# Altium PCB PCB1.PcbDoc (part 14 of 15) (continued)
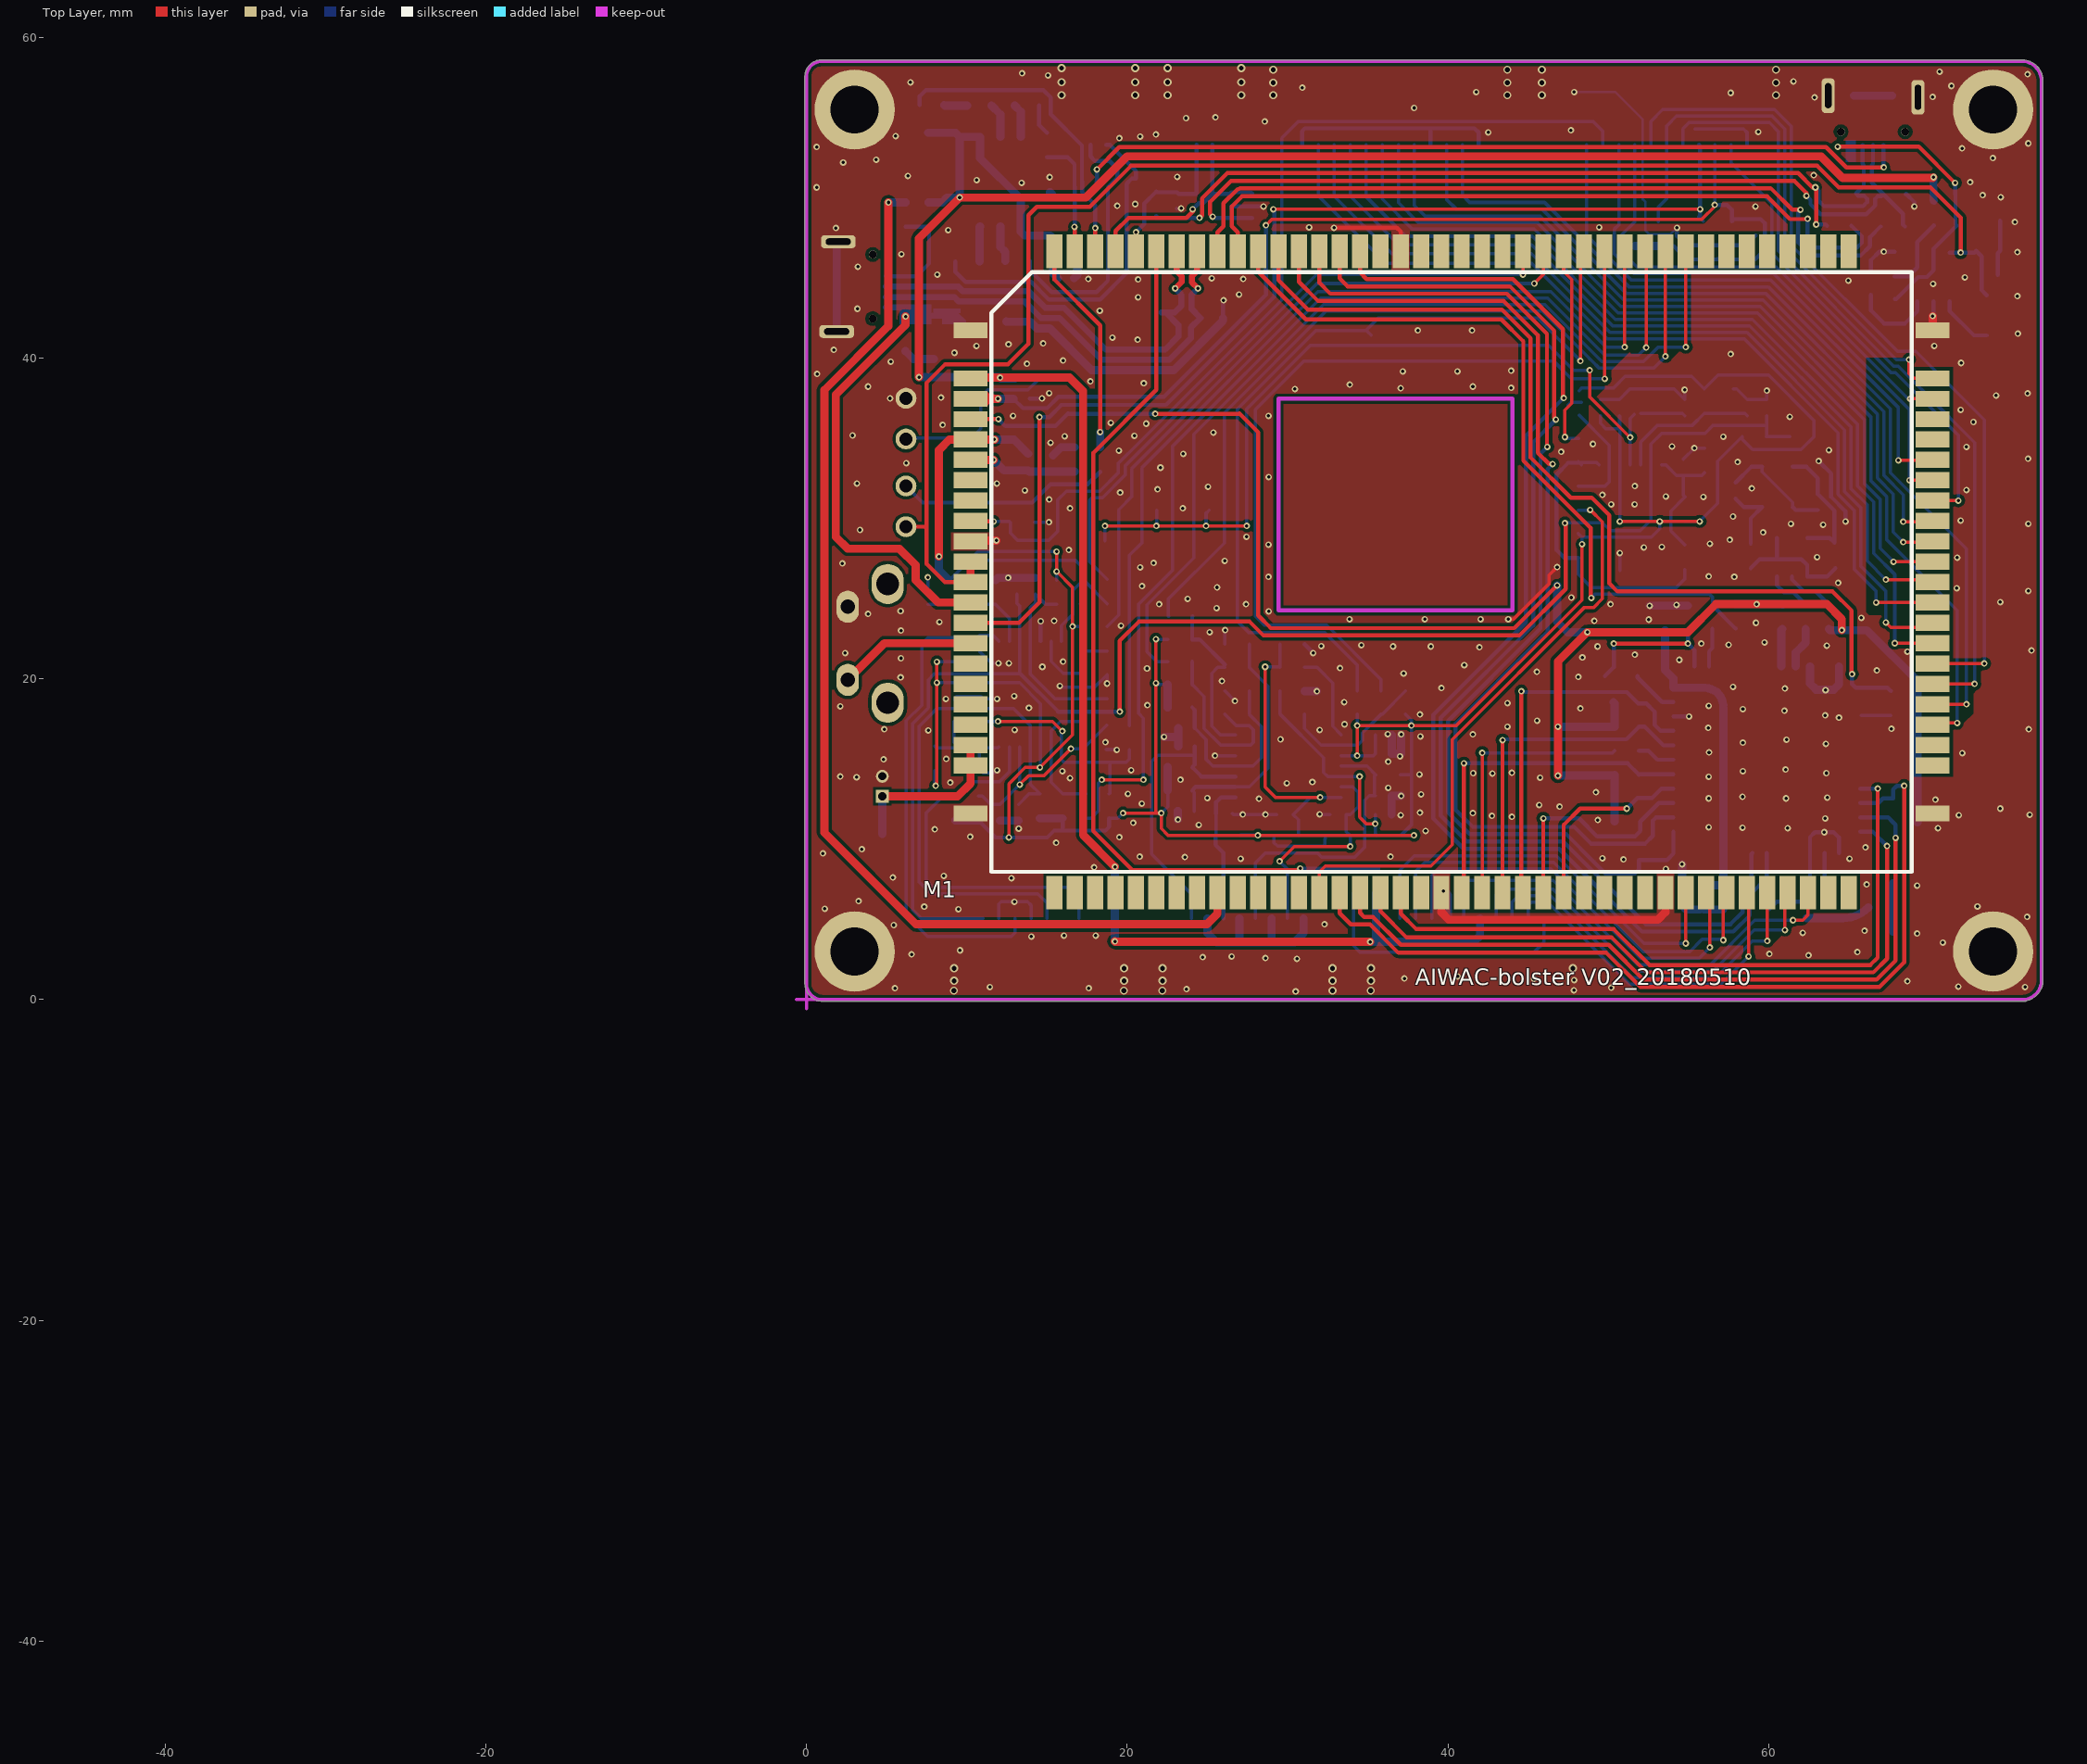
[diagram p0: Top Layer view]
## Nets (pads, with @x,y where several pads share a name; then routed paths per layer and width w, separated by ;. In a path a pad name is that pad's centre, name@x,y a point inside that pad or via, vN(x,y) a via of type N, cw(c..) or ccw(c..) an arc to the next point about the centre after c; other vN are vias at no path point) (continued)
  Bottom Layer w0.203: D7.A@6.2,34.957 6.27,35.027 10.287,35.027 10.858,35.598 10.858,37.579 11.303,38.024 13.818,38.024 R92.1@14.529,38.735
NetJ9_1: J9.1 R69.2 | length 17.1
  Bottom Layer w0.203: R69.2@34.112,6.645 34.112,3.356 34.496,2.972 45.39,2.972 46,3.582 J9.1@46,5.055
NetJ10_4: J10.4 R70.2 R71.1 | length 6.8
  Bottom Layer w0.254: J10.4@4.953,45.109 6.858,45.109 7.645,45.896 7.645,48.158 R71.1@7.62,48.184 R70.2@6.172,48.184
NetJ11_4: J11.4 R120.2 | length 52.4
  Top Layer w0.254: v1(18.11,51.765) 19.507,53.162 63.576,53.162 64.846,51.892 v1(67.183,51.892)
  Bottom Layer w0.254: R120.2@18.085,50.978 18.11,51.003 v1(18.11,51.765) ; J11.4@67.163,53.289 67.163,51.912 v1(67.183,51.892)
NetL1_2: L1.2 U10.1 | length 3.5
  Bottom Layer w0.254: U10.1@71.298,43.536 71.298,42.926 72.807,41.417 L1.2@73.609,41.417
NetL2_1: L2.1 U7.21 | length 3
  Bottom Layer w0.254: L2.1@51.816,20.168 51.816,20.091 53.35,18.557 U7.21@54.06,18.557
NetL3_2: L3.2 U5.7 | length 2.2
  Bottom Layer w0.508: L3.2@10.795,46.025 10.795,48.184 U5.7@10.82,48.209
NetL4_2: L4.2 U5.6 | length 2.3
  Bottom Layer w0.508: U5.6@12.09,48.209 12.09,46.939 12.395,46.634 L4.2@12.395,46.05
NetM1_111: M1.111 R113.1 | length 46.1
  Top Layer w0.254: M1.111@26.896,46.67 26.896,47.847 26.515,48.228 26.515,49.454 27.15,50.089 59.911,50.089 61.33,48.67 62.411,48.67 v1(62.433,48.692)
  Bottom Layer w0.254: v1(62.433,48.692) 62.433,47.354 62.886,46.901 65.519,46.901 65.811,47.193 65.811,47.6 R113.1@65.151,48.26
NetM1_112: M1.112 R112.1 | length 48.7
  Top Layer w0.254: M1.112@25.626,46.67 25.626,47.847 26.007,48.228 26.007,49.664 26.89,50.547 26.987,50.547 27.037,50.597 60.122,50.597 61.464,49.254 v1(61.98,49.254)
  Bottom Layer w0.254: v1(61.98,49.254) 61.849,49.123 61.849,47.22 62.676,46.393 65.73,46.393 66.319,46.983 66.319,47.549 R112.1@66.98,48.209
NetR3_1: R3.1 R9.1 R18.1 U1.1 | length 5.6
  Bottom Layer w0.203: R18.1@31.059,20.714 31.847,20.714 32.812,19.748 R9.1@32.812,19.24 R3.1@32.812,17.793 32.812,17.046 U1.1@33.341,16.517
NetR4_1: R4.1 R10.1 R17.1 U1.2 | length 9.3
  Bottom Layer w0.203: R17.1@31.059,17.793 31.059,16.904 32.096,15.867 U1.2@33.341,15.867 34.383,15.867 34.666,16.15 34.666,16.624 R4.1@35.835,17.793 35.911,17.793 R10.1@37.359,19.24
NetR7_1: R7.1 R13.1 R19.1 U1.14 | length 10.1
  Bottom Layer w0.203: R19.1@26.081,20.714 25.641,20.714 25.273,20.345 25.273,17.043 25.8,16.517 U1.14@26.741,16.517
  Bottom Layer w0.254: R13.1@24.074,23.889 24.049,23.863 R7.1@24.049,22.466 24.506,22.466 R19.1@26.081,20.891
NetR8_1: R8.1 R14.1 R20.1 U1.13 | length 11
  Bottom Layer w0.203: R8.1@24.049,19.647 24.79,18.905 24.79,16.915 25.838,15.867 U1.13@26.741,15.867 27.691,15.867 27.864,16.039 27.864,16.815 27.584,17.094 26.779,17.094 R20.1@26.081,17.793
  Bottom Layer w0.254: R8.1@24.049,19.647 R14.1@24.049,21.069
NetR27_1: R27.1 R33.1 R46.1 U2.1 | length 14.3
  Top Layer w0.203: v1(11.938,17.348) 15.342,17.348 v1(15.951,16.739)
  Bottom Layer w0.203: R46.1@10.719,17.348 v1(11.938,17.348) ; v1(15.951,16.739) 15.895,16.682 15.895,14.966 16.053,14.808 18.872,14.808 ; R27.1@18.877,12.827 18.923,12.873 18.923,14.757 18.872,14.808 ; R33.1@20.142,15.57 20.142,15.011 19.939,14.808 18.872,14.808
NetR28_1: R28.1 R34.1 R42.1 U2.2 | length 8.1
  Bottom Layer w0.203: R42.1@17.297,17.145 17.105,17.337 15.831,17.337 15.245,16.75 15.245,13.564 R28.1@15.981,12.827 R34.1@17.429,12.827
NetR31_1: R31.1 R37.1 R43.1 U2.14 | length 15.3
  Bottom Layer w0.203: R43.1@10.312,26.162 10.312,26.772 10.922,27.381 16.773,27.381 16.986,27.169 17.002,27.169 17.297,26.873 R31.1@17.297,26.213 ; U2.14@15.895,22.352 15.895,23.311 16.612,24.028 16.612,25.527 R31.1@17.297,26.213 ; R37.1@18.745,24.689 17.297,26.137 R31.1@17.297,26.213
NetR32_1: R32.1 R38.1 R44.1 U2.13 | length 6.5
  Bottom Layer w0.203: U2.13@15.245,22.352 15.245,21.103 16.002,20.345 R44.1@17.221,20.345 ; R44.1@17.297,20.269 17.297,21.717 17.31,21.73 R38.1@18.745,21.73 R38.1@18.758,21.73
NetR53_1: R53.1 R55.1 R60.2 U3.1 | length 18.4
  Bottom Layer w0.203: R53.1@48.133,27.534 48.133,26.518 48.971,25.679 54.229,25.679 54.783,26.234 R60.2@54.783,26.822 ; R55.1@48.133,33.553 R55.1@48.209,33.477 ; R55.1@48.158,33.477 R55.1@48.209,33.477 ; R55.1@48.34,33.346 R55.1@48.209,33.477 ; U3.1@49.419,33.346 49.288,33.477 R55.1@48.209,33.477
  Bottom Layer w0.254: R53.1@48.133,27.534 47.269,27.534 46.761,28.042 46.761,32.741 47.498,33.477 R55.1@48.158,33.477
NetR54_1: R54.1 R56.1 U3.2 | length 7
  Bottom Layer w0.203: R56.1@48.133,32.029 49.809,32.029 50.069,32.289 U3.2@50.069,33.346 50.069,34.564 R54.1@48.184,36.449
NetR62_1: R62.1 R65.2 U4.1 U4.4 | length 7.9
  Bottom Layer w0.254: R62.1@58.884,26.908 59.433,27.457 60.554,27.457 ; U4.1@60.509,28.788 60.509,27.502 60.554,27.457 ; R65.2@64.167,26.908 63.646,26.388 U4.4@62.409,26.388 62.409,27.1 62.052,27.457 60.554,27.457
NetR63_2: R63.2 U4.6 | length 2.8
  Bottom Layer w0.254: U4.6@60.509,26.388 60.509,25.851 60.96,25.4 61.544,25.4 R63.2@62.306,24.638
NetR64_2: R64.2 U4.5 | length 3.1
  Bottom Layer w0.254: U4.5@61.459,26.388 61.459,26.196 62.205,25.451 62.941,25.451 R64.2@63.754,24.638
NetR66_2: R66.2 U5.4 | length 2.1
  Bottom Layer w0.508: R66.2@12.979,55.753 13.36,55.372 U5.4@13.36,53.797
NetR67_2: R67.2 U5.3 | length 2.2
  Bottom Layer w0.508: R67.2@11.532,55.753 12.09,55.194 U5.3@12.09,53.797
NetR75_1: R75.1 U7.29 | length 2.4
  Bottom Layer w0.508: U7.29@60.785,20.782 60.785,23.04 R75.1@60.858,23.114
NetR79_1: R79.1 U7.24 | length 2.4
  Bottom Layer w0.254: U7.24@56.285,20.782 56.285,21.715 56.49,21.92 R79.1@56.49,23.114
NetR84_1: R84.1 U7.17 | length 2.4
  Bottom Layer w0.254: R84.1@51.918,15.519 52.502,15.519 53.064,14.957 U7.17@54.06,14.957
NetR101_2: R101.2 R102.2 U10.4 | length 4.7
  Bottom Layer w0.254: R102.2@67.862,45.11 68.732,45.11 69.266,45.644 U10.4@69.266,46.584 69.266,47.244 R101.2@70.307,48.285
NetR103_1: R103.1 R104.2 U10.3 | length 5.1
  Bottom Layer w0.254: R104.2@66.389,43.942 66.389,42.958 67.183,42.164 R103.1@67.869,42.164 68.504,42.164 69.266,42.926 U10.3@69.266,43.536
PE0_CSI-PCLK: J1.7 M1.63 | length 61.5
  Top Layer w0.203: M1.63@70.231,17.145 70.333,17.247 v1(71.755,17.247)
  Bottom Layer w0.203: J1.7@36.909,53.3 36.909,49.692 38.138,48.463 45.549,48.463 50.781,43.231 59.476,43.231 66.37,36.337 66.37,32.355 67.361,31.365 67.361,28.677 71.755,24.282 v1(71.755,17.247)
PE1_CSI-MCLK: J1.11 M1.64 | length 57.8
  Top Layer w0.203: M1.64@70.231,18.415 v1(72.339,18.415)
  Bottom Layer w0.203: J1.11@40.909,53.3 40.909,50.15 41.351,49.708 46.029,49.708 51.286,44.45 59.981,44.45 67.589,36.842 67.589,32.86 68.573,31.877 68.58,31.877 72.339,28.118 v1(72.339,18.415)
PE2_CSI-HSYNC: J2.8 M1.65 | length 49.6
  Top Layer w0.203: M1.65@70.231,19.685 v1(72.847,19.685)
  Bottom Layer w0.203: J2.8@54.654,53.3 54.654,54.299 55.042,54.686 60.046,54.686 60.604,54.127 60.604,46.704 67.804,39.504 68.084,39.504 69.209,38.379 69.213,38.379 69.748,37.844 69.748,37.84 72.847,34.741 v1(72.847,19.685)
PE3_CSI-VSYNC: J2.6 M1.66 | length 53.4
  Top Layer w0.203: M1.66@70.231,20.955 v1(73.457,20.955)
  Bottom Layer w0.203: J2.6@52.654,53.3 52.654,54.762 53.391,55.499 60.382,55.499 61.417,54.464 61.417,47.041 68.039,40.419 69.182,40.419 73.457,36.144 v1(73.457,20.955)
PE4_CSI-D0: J1.5 M1.67 | length 56.7
  Top Layer w0.203: v1(67.869,22.225) M1.67@70.231,22.225
  Bottom Layer w0.203: J1.5@34.909,53.3 34.909,50.054 37.363,47.6 45.263,47.6 50.445,42.418 58.988,42.418 65.557,35.849 65.557,32.019 66.548,31.028 66.548,27.831 67.869,26.51 v1(67.869,22.225)
PE5_CSI-D1: J1.3 M1.68 | length 57.3
  Top Layer w0.203: v1(67.31,23.52) 67.615,23.216 69.952,23.216 M1.68@70.231,23.495
  Bottom Layer w0.203: J1.3@32.909,53.3 32.909,50.098 36.5,46.507 45.206,46.507 50.108,41.605 58.652,41.605 64.745,35.512 64.745,31.682 65.735,30.691 65.735,27.044 67.1,25.679 67.107,25.679 67.31,25.476 v1(67.31,23.52)
PE6_CSI-D2: J1.2 M1.69 | length 56.8
  Top Layer w0.203: v1(66.7,24.765) M1.69@70.231,24.765
  Bottom Layer w0.203: J1.2@31.909,53.3 31.909,50.133 36.144,45.898 45.241,45.898 49.94,41.199 58.483,41.199 64.338,35.344 64.338,31.514 65.329,30.523 65.329,26.848 66.7,25.476 v1(66.7,24.765)
PE7_CSI-D3: J1.4 M1.70 | length 53.8
  Top Layer w0.203: v1(67.31,26.187) 70.079,26.187 M1.70@70.231,26.035
  Bottom Layer w0.203: J1.4@33.909,53.3 33.909,50.089 36.932,47.066 45.222,47.066 50.276,42.012 58.82,42.012 65.151,35.681 65.151,31.85 66.142,30.86 66.142,27.356 v1(67.31,26.187)
PE8_CSI-D4: J1.6 M1.71 | length 51.2
  Top Layer w0.203: v1(67.793,27.305) M1.71@70.231,27.305
  Bottom Layer w0.203: J1.6@35.909,53.3 35.909,49.918 37.77,48.057 45.381,48.057 50.613,42.824 59.308,42.824 65.964,36.168 65.964,32.187 66.954,31.196 66.954,28.143 v1(67.793,27.305)
PE9_CSI-D5: J1.8 M1.72 | length 48.5
  Top Layer w0.203: v1(68.402,28.524) 70.18,28.524 M1.72@70.231,28.575
  Bottom Layer w0.203: J1.8@37.909,53.3 37.909,49.518 38.557,48.87 45.717,48.87 50.95,43.637 59.644,43.637 66.777,36.505 66.777,32.524 67.767,31.533 67.767,29.159 v1(68.402,28.524)
PE10_CSI-D6: J1.10 M1.73 | length 45.4
  Top Layer w0.203: v1(68.402,29.794) 70.129,29.794 70.206,29.87 M1.73@70.231,29.845
  Bottom Layer w0.203: J1.10@39.909,53.3 39.909,49.905 40.513,49.301 45.86,49.301 51.118,44.044 59.813,44.044 67.183,36.673 67.183,32.692 68.402,31.473 v1(68.402,29.794)
PE11_CSI-D7: J2.11 M1.74 | length 29.8
  Top Layer w0.203: M1.74@70.231,31.115 v1(71.831,31.115)
  Bottom Layer w0.203: J2.11@57.654,53.3 57.654,52.175 60.198,49.632 60.198,46.536 67.636,39.098 67.916,39.098 69.041,37.973 69.044,37.973 69.342,37.675 69.342,37.672 71.831,35.183 v1(71.831,31.115)
PE12_CSI-SCK: J2.4 M1.75 | length 35.2
  Top Layer w0.203: v1(68.783,32.385) M1.75@70.231,32.385 M1.75@70.206,32.41
  Bottom Layer w0.203: J2.4@50.654,53.3 50.654,49.759 50.654,48.317 50.368,48.031 50.368,46.518 51.623,45.263 60.318,45.263 68.783,36.797 v1(68.783,32.385)
PE13_CSI-SDA: J2.2 M1.76 | length 35
  Top Layer w0.203: v1(68.097,33.63) 70.206,33.63 M1.76@70.231,33.655
  Bottom Layer w0.203: J2.2@48.654,53.3 48.654,47.657 51.455,44.856 60.149,44.856 68.097,36.908 v1(68.097,33.63)
PE16_CSI-RST-F: J2.5 M1.79 R50.2 | length 30.2
  Top Layer w0.203: v1(68.834,37.465) M1.79@70.231,37.465
  Bottom Layer w0.203: J2.5@51.654,53.3 51.654,48.523 R50.2@51.664,48.514 50.851,47.701 50.851,46.61 51.791,45.669 60.49,45.669 68.694,37.465 v1(68.834,37.465)
PE17_CSI-STBY-F: J2.7 M1.80 R39.1 | length 34.7
  Top Layer w0.203: v1(68.758,39.911) 68.758,39.04 69.063,38.735 M1.80@70.231,38.735 M1.80@70.206,38.71
  Bottom Layer w0.203: R39.1@53.111,48.514 53.111,49.403 53.654,49.946 J2.7@53.654,53.3 53.654,54.492 54.254,55.093 60.214,55.093 61.011,54.296 61.011,46.872 67.973,39.911 v1(68.758,39.911)
POWERKEY: M1.14 S1.2 | length 8.6
  Top Layer w0.508: S1.2@2.565,19.936 4.854,22.225 M1.14@10.231,22.225
PS: C102.1 C103.2 D6.A L1.1 M1.10 M1.11 U10.6 | length 100.1
  Top Layer w0.254: D6.A@6.2,29.488 7.367,29.488 7.493,29.362 ; M1.11@10.231,26.035 8.628,26.035 7.493,27.17 7.493,29.362 ; v1(71.984,46.584) 71.984,48.755 70.091,50.648 64.376,50.648 63.029,51.994 20.232,51.994 17.666,49.428 14.363,49.428 13.843,48.908 13.843,40.894 12.573,39.624 8.649,39.624 7.493,38.468 7.493,29.362
  Top Layer w0.508: M1.11@10.231,26.035 M1.10@10.231,27.305
  Bottom Layer w0.254: U10.6@71.298,46.584 v1(71.984,46.584) 72.834,46.584 C102.1@72.935,46.685 73.279,46.342 C103.2@73.279,45.187 73.279,44.247 L1.1@73.609,43.917
REFERENCE_R1: C8.1 R16.2 R20.2 R22.2 U1.11 | length 11.9
  Bottom Layer w0.203: C8.1@24.201,16.929 24.917,16.213 24.917,14.986 25.337,14.567 U1.11@26.741,14.567 27.841,14.567 28.372,15.097 28.372,17.026 R20.2@27.605,17.793 R22.2@27.605,19.24
  Bottom Layer w0.254: R16.2@24.049,18.224 24.201,18.072 C8.1@24.201,16.929
RIGHT-F: D2.2 M1.89 R14.2 | length 58.2
  Top Layer w0.203: v1(54.836,40.691) M1.89@54.836,46.67
  Bottom Layer w0.203: R14.2@22.525,21.069 21.857,21.069 21.234,21.692 21.234,24.62 24.155,27.541 D2.2@24.155,28.473 24.155,35.258 32.23,43.332 46.05,43.332 49.606,39.776 52.193,39.776 53.107,40.691 v1(54.836,40.691)
RIGHT-H: D1.1 M1.93 R10.2 | length 54.6
  Top Layer w0.203: M1.93@49.756,46.67 49.784,46.642 v1(49.784,38.71)
  Bottom Layer w0.203: R10.2@35.835,19.24 35.835,19.944 32.436,23.343 28.55,23.343 27.991,23.901 27.991,36.795 31.023,39.827 D1.1@34.9,39.827 46.584,39.827 47.701,38.71 v1(49.784,38.71)
RIGHT-L: D4.1 M1.91 R34.2 | length 68.5
  Top Layer w0.203: v1(18.415,13.716) v1(21.006,13.716) ; M1.91@52.296,46.67 52.364,46.602 v1(52.364,40.665)
  Bottom Layer w0.203: R34.2@17.429,11.303 17.729,11.303 18.191,11.765 18.191,13.492 v1(18.415,13.716) ; v1(21.006,13.716) 21.006,17.551 20.701,17.856 20.701,24.661 22.809,26.769 D4.1@22.809,28.473 22.809,34.487 32.061,43.739 46.219,43.739 49.775,40.183 51.881,40.183 v1(52.364,40.665)
RIGHTF: C4.2 J3.8 R6.1 U1.10 | length 18
  Bottom Layer w0.203: J3.8@24,5.055 24,6.582 21.514,9.068 21.514,14.851 21.89,15.227 24.201,15.227
  Bottom Layer w0.254: C4.2@24.201,15.786 24.201,15.227 24.201,14.643 R6.1@24.049,14.491 24.623,13.917 U1.10@26.741,13.917
RIGHTH: C2.2 J3.4 R2.1 U1.4 | length 18.3
  Bottom Layer w0.203: J3.4@28,5.055 28,8.518 28.611,9.129 31.877,9.129 32.116,8.89 34.188,8.89 34.803,9.504 34.803,12.425 35.09,12.713 C2.2@35.466,12.713 ; U1.4@33.341,14.567 34.946,14.567 R2.1@35.504,14.008 35.428,13.932 C2.2@35.428,12.713
RIGHTL: C12.2 J4.4 R26.1 U2.4 | length 33.1
  Bottom Layer w0.203: C12.2@13.233,12.179 13.881,12.827 R26.1@14.554,12.827 13.945,13.437 13.945,17.12 12.903,18.161 8.134,18.161 7.036,17.062 7.036,7.325 7.756,6.604 14.427,6.604 15,6.031 J4.4@15,5.055
SDC0-CLK: J9.6 M1.58 | length 28.6
  Top Layer w0.203: v1(61.519,4.95) 62.126,4.95 62.456,5.281 M1.58@62.456,6.67
  Bottom Layer w0.203: J9.6@41,5.055 41,7.243 41.199,7.442 46.568,7.442 51.825,2.184 56.37,2.184 59.136,4.95 v1(61.519,4.95)
SDC0-CMD: J9.4 M1.57 | length 25.2
  Top Layer w0.203: v1(61.011,4.343) 61.011,6.495 M1.57@61.186,6.67
  Bottom Layer w0.203: J9.4@43,5.055 43,6.526 43.358,6.883 46.552,6.883 51.657,1.778 56.538,1.778 59.104,4.343 v1(61.011,4.343)
SDC0-D0: J9.8 M1.53 | length 26.3
  Top Layer w0.203: M1.53@56.106,6.67 56.337,6.439 v1(56.337,3.251)
  Bottom Layer w0.203: J9.8@39,5.055 39,7.733 39.421,8.153 46.431,8.153 51.994,2.591 55.677,2.591 v1(56.337,3.251)
SDC0-D1: J9.9 M1.54 | length 28
  Top Layer w0.203: v1(57.175,3.708) 57.175,6.469 M1.54@57.376,6.67
  Bottom Layer w0.203: J9.9@38,5.055 38,8.003 38.557,8.56 46.6,8.56 52.162,2.997 55.093,2.997 55.855,3.759 57.125,3.759 v1(57.175,3.708)
SDC0-D2: J9.2 M1.55 | length 21.5
  Top Layer w0.203: M1.55@58.646,6.67 58.75,6.566 v1(58.75,2.692)
  Bottom Layer w0.203: J9.2@45,5.055 45,5.859 45.212,6.071 46.215,6.071 51.32,0.965 57.023,0.965 v1(58.75,2.692)
SDC0-D3: J9.3 M1.56 | length 23.2
  Top Layer w0.203: M1.56@59.916,6.67 59.919,6.667 v1(59.919,3.658)
  Bottom Layer w0.203: J9.3@44,5.055 44,6.078 44.399,6.477 46.383,6.477 51.489,1.372 56.706,1.372 58.992,3.658 v1(59.919,3.658)
SDIO-CLK: M1.42 R84.2 | length 17.3
  Top Layer w0.203: M1.42@42.136,6.409 M1.42@42.136,6.67 42.136,15.39 v1(42.139,15.392)
  Bottom Layer w0.203: v1(42.139,15.392) 50.267,15.392 R84.2@50.394,15.519
SDIO-CMD: M1.41 R89.2 U7.16 | length 21.5
  Top Layer w0.254: M1.41@40.866,6.67 40.996,6.8 v1(40.996,14.732)
  Bottom Layer w0.254: v1(40.996,14.732) 51.206,14.732 R89.2@51.918,14.021 51.954,14.057 U7.16@54.06,14.057
SDIO-D0: M1.43 R90.2 U7.18 | length 21
  Top Layer w0.254: M1.43@43.406,6.67 v1(43.406,16.18)
  Bottom Layer w0.254: v1(43.406,16.18) 43.457,16.231 51.13,16.231 R90.2@51.918,17.018 52.273,17.018 53.434,15.857 U7.18@54.06,15.857
SDIO-D1: M1.44 R91.2 U7.19 | length 23.6
  Top Layer w0.254: v1(44.577,19.228) 44.577,6.769 M1.44@44.676,6.67
  Bottom Layer w0.254: v1(44.577,19.228) 44.628,19.177 51.156,19.177 51.867,18.466 R91.2@51.918,18.466 52.375,18.466 52.883,17.958 52.883,17.145 53.271,16.757 U7.19@54.06,16.757
SDIO-D2: M1.45 R87.2 U7.14 | length 14.4
  Top Layer w0.254: v1(45.949,11.303) 45.946,11.3 M1.45@45.946,6.67 M1.45@45.974,6.698
  Bottom Layer w0.254: v1(45.949,11.303) 48.184,11.303 49.301,10.185 51.664,10.185 51.994,10.516 51.994,11.1 53.151,12.257 U7.14@54.06,12.257
SDIO-D3: M1.46 R88.2 U7.15 | length 12
  Top Layer w0.254: M1.46@47.216,6.67 47.216,10.894 48.235,11.913 v1(51.156,11.913)
  Bottom Layer w0.254: v1(51.156,11.913) 51.816,12.573 R88.2@51.918,12.573 52.73,12.573 53.315,13.157 U7.15@54.06,13.157
T-CARD-DET: J9.10 M1.52 | length 26.6
  Top Layer w0.203: v1(54.836,3.508) M1.52@54.836,6.67
  Bottom Layer w0.203: J9.10@37,5.055 37,8.069 37.897,8.966 46.768,8.966 52.226,3.508 v1(54.836,3.508)
TEMP: C50.1 M1.5 R76.2 RT1.1 | length 6.8
  Top Layer w0.508: M1.5@10.231,33.655 v1(11.659,33.655)
  Bottom Layer w0.508: v1(11.659,33.655) 12.319,32.995 RT1.1@13.818,32.995 13.894,32.918 C50.1@15.367,32.918 R76.2@16.713,32.918
TOUCH-INT: M1.34 R56.2 | length 36.4
  Top Layer w0.203: M1.34@31.976,6.67 31.976,7.948 32.36,8.331 38.938,8.331 40.259,9.652 40.259,16.208 48.486,24.435 49.073,24.435 49.632,24.994 49.632,29.794 48.895,30.531 v1(48.87,30.531)
  Bottom Layer w0.203: R56.2@48.133,30.505 48.844,30.505 v1(48.87,30.531)
TUMMY: C14.2 C21.2 J4.8 R30.1 R51.1 U2.10 U3.6 | length 97
  Top Layer w0.254: v1(19.533,17.958) 19.533,22.377 20.726,23.571 27.635,23.571 28.499,22.708 44.444,22.708 47.346,25.609 47.346,29.667 v1(47.295,29.718)
  Bottom Layer w0.203: J4.8@11,5.055 7.162,5.055 6.629,5.588 6.629,17.231 7.595,18.196 7.595,19.946 7.95,20.302 7.95,20.32 13.254,20.32 13.295,20.36 13.295,24.551 13.106,24.74 C14.2@13.106,25.286 ; v1(47.295,29.718) 47.32,29.743 49.632,29.743 50.14,29.235 51.994,29.235 52.669,29.911 U3.6@52.669,33.346 52.669,34.635 53.34,35.306 56.032,35.306 56.54,35.814 59.849,35.814 59.893,35.77 ; C21.2@59.893,36.411 59.893,35.77 ; R30.1@61.316,35.103 R51.1@59.868,35.103 59.893,35.128 59.893,35.77
  Bottom Layer w0.254: 13.295,20.36 15.697,17.958 v1(19.533,17.958)
TUMMY1: D5.2 M1.96 R38.2 | length 42.6
  Top Layer w0.203: v1(45.39,44.653) 45.946,45.209 M1.96@45.946,46.67
  Bottom Layer w0.203: R38.2@18.745,23.254 19.482,23.99 19.482,30.556 D5.2@19.558,30.632 20.269,31.344 20.269,33.096 28.716,41.543 31.826,44.653 v1(45.39,44.653)
TUMMY2: M1.95 R55.2 | length 12.9
  Top Layer w0.203: M1.95@47.216,46.67 47.216,45.418 47.727,44.907 47.727,37.186 47.295,36.754 v1(47.295,35.077)
  Bottom Layer w0.203: v1(47.295,35.077) 47.371,35.001 R55.2@48.158,35.001
USB-DM0: D22.2 J10.2 M1.113 pad.4@24.409,44.348 | length 27.5
  Top Layer w0.381: M1.113@24.356,46.67 24.356,45.43 24.039,45.112 24.039,44.719 pad.4@24.409,44.348
  Bottom Layer w0.381: J10.2@4.953,43.809 9.217,43.809 9.491,43.536 13.594,43.536 14.623,42.507 15.786,42.507 18.39,39.903 22.632,39.903 23.971,41.243 23.971,41.904 D22.2@24.575,42.507 24.016,43.066 24.016,43.955 pad.4@24.409,44.348
USB-DM1: D11.2 J11.2 R110.2 R113.2 | length 54.9
  Top Layer w0.254: v1(24.511,48.743) 24.663,48.895 24.663,49.956 26.244,51.537 61.84,51.537 62.729,50.648 v1(62.916,50.648) 62.967,50.597 v1(62.967,48.336)
  Bottom Layer w0.254: R110.2@21.819,48.87 21.819,48.743 v1(24.511,48.743) ; v1(62.916,50.648) 63.119,50.444 63.119,49.809 63.449,49.479 65.888,49.479 66.142,49.733 66.142,49.936 65.94,50.138 65.583,50.138 D11.2@65.456,50.265 65.934,50.743 65.934,52.041 65.863,52.112 J11.2@65.863,53.289 ; v1(62.967,48.336) 63.551,48.336 R113.2@63.627,48.26
USB-DP0: D21.2 J10.3 M1.114 pad.4@22.987,44.348 | length 27.3
  Top Layer w0.381: pad.4@22.987,44.348 22.997,44.348 23.404,44.755 23.404,45.112 23.086,45.43 M1.114@23.086,46.67
  Bottom Layer w0.381: J10.3@4.953,44.459 9.465,44.459 9.754,44.171 13.857,44.171 14.886,43.142 16.049,43.142 18.653,40.538 22.369,40.538 23.19,41.36 23.19,42.062 D21.2@22.403,42.85 ; D21.2@22.136,42.85 D21.2@22.403,42.85 ; pad.4@22.987,44.348 23.381,43.955 23.381,43.269 22.962,42.85 D21.2@22.403,42.85
USB-DP1: D12.2 J11.3 R111.2 R112.2 | length 53.9
  Top Layer w0.254: v1(25.324,48.819) 25.171,48.971 25.171,49.746 26.479,51.054 61.604,51.054 62.357,50.301 v1(62.357,50.114)
  Bottom Layer w0.254: v1(25.324,48.819) 25.4,48.743 R111.2@27.788,48.743 ; v1(62.357,50.114) 62.611,49.86 62.611,49.599 63.239,48.971 66.098,48.971 66.65,49.523 66.65,49.936 66.802,50.089 67.031,50.089 D12.2@67.158,50.216 ; J11.3@66.513,53.289 66.513,52.112 66.442,52.041 66.442,50.931 D12.2@67.158,50.216 ; R112.2@68.504,48.209 68.377,48.336 68.377,48.997 D12.2@67.158,50.216
USB-DRVVBUS: M1.21
USB-ID: M1.29 R70.1 | length 70.5
  Top Layer w0.508: v1(5.105,49.708) 5.105,42.001 1.118,38.014 1.118,10.414 6.833,4.699 24.968,4.699 25.626,5.357 M1.29@25.626,6.67
  Bottom Layer w0.508: v1(5.105,49.708) R70.1@6.172,49.708
USBVBUS: C42.1 C43.1 C44.2 J10.1 M1.12 | length 32.2
  Top Layer w0.508: v1(6.172,42.596) 6.172,42.062 1.829,37.719 1.829,28.854 2.565,28.118 5.791,28.118 6.807,27.102 6.807,26.162 8.204,24.765 M1.12@10.231,24.765
  Bottom Layer w0.381: J10.1@4.953,43.159 5.838,43.159 6.172,42.824 ; C44.2@6.172,41.959 v1(6.172,42.596) 6.172,42.824 ; C43.1@9.754,42.29 9.395,42.649 C42.1@7.95,42.649 6.348,42.649 6.172,42.824
VBAT: C41.1 J8.1 M1.19 M1.20 | length 10.6
  Top Layer w0.508: J8.1@4.724,12.675 9.423,12.675 10.231,13.482 M1.20@10.231,14.605 M1.19@10.231,15.875
  Bottom Layer w0.508: C41.1@4.724,10.326 J8.1@4.724,12.675 J8.1@4.75,12.649
VCC-3V0: C32.2 C33.2 C37.2 C110.1 J9.5 M1.1 R68.1 R71.2 R92.2 R101.1 U5.1 U5.2 U5.5 | length 172.8
  Top Layer w0.508: v1(7.01,38.811) 7.01,47.473 v1(9.55,50.013) 17.424,50.013 19.99,52.578 63.271,52.578 64.618,51.232 70.231,51.232 v1(70.282,51.283) ; M1.1@10.231,38.735 10.485,38.481 10.79,38.786 v1(12.065,38.786) 16.408,38.786 17.247,37.948 17.247,10.262 v1(19.228,8.28) ; v1(19.228,3.632) 19.253,3.607 v1(35.154,3.607)
  Bottom Layer w0.508: v1(7.01,38.811) 12.04,38.811 v1(12.065,38.786) ; C37.2@7.569,54.055 9.293,54.055 U5.1@9.55,53.797 ; R71.2@7.62,49.708 8.458,49.708 8.763,50.013 v1(9.55,50.013) U5.1@9.55,53.797 ; v1@12.116,38.735 R92.2@13.005,38.735 ; C33.2@15.672,44.983 15.367,45.288 C110.1@15.367,46.279 15.367,47.469 C32.2@15.189,47.647 13.593,47.647 13.36,47.879 13.36,49.936 10.82,52.476 U5.2@10.82,53.797 U5.1@9.55,53.797 ; v1(19.228,3.632) v1(19.228,8.28) ; v1(35.154,3.607) 35.535,3.607 ; R68.1@35.525,6.645 35.525,3.616 35.535,3.607 ; J9.5@42,5.055 42,3.976 41.631,3.607 35.535,3.607 ; v1(70.282,51.283) 70.282,49.835 R101.1@70.307,49.809
VCC-LCD: C9.2 C10.1 C19.2 C20.1 C30.2 C31.1 M1.4 R1.2 R2.2 R3.2 R4.2 R5.2 R6.2 R7.2 R8.2 R11.1 R12.1 R15.1 R16.1 R25.2 R26.2 R27.2 R28.2 R29.2 R30.2 R31.2 R32.2 R35.1 R36.1 R40.1 R41.1 R51.2 R53.2 R54.2 R57.1 R58.2 RT1.2 U1.3 U2.3 U3.3 | length 209.8
  Top Layer w0.203: v1(8.052,13.335) 8.128,13.411 v1(8.128,19.761) v1(8.128,21.057) ; v1(12.624,10.109) 12.624,13.457 13.645,14.478 v1(14.554,14.478) 16.586,16.51 v1(16.586,23.266) 16.586,25.705 v1(15.596,26.695) v1(15.596,27.94) ; v1(19.736,11.633) 21.793,11.633 ; v1(21.793,22.479) v1(21.793,19.736) 21.793,11.633 ; v1(34.341,15.217) v1(34.341,17.094) v1(37.714,17.094) 40.538,17.094 48.362,24.917 v1(48.362,28.397) ; v1(37.884,10.249) v1(28.143,10.249) 22.543,10.249 22.123,10.668 v1(22.123,11.633) 21.793,11.633 ; v1(50.719,29.82) v1(53.211,29.82) v1(55.702,29.82)
  Top Layer w0.508: v1(8.255,27.635) 8.255,34.265 8.915,34.925 M1.4@10.231,34.925 v1(11.709,34.925)
  Bottom Layer w0.203: R35.1@8.001,14.275 8.001,13.386 v1(8.052,13.335) ; v1(8.128,19.761) C20.1@9.411,19.761 ; v1(8.128,21.057) R29.2@9.525,21.057 ; R40.1@8.865,26.162 8.915,26.162 10.693,27.94 v1(15.596,27.94) ; C19.2@10.82,19.761 13.283,19.761 14.595,18.45 14.595,14.518 v1(14.554,14.478) ; R41.1@15.596,26.162 v1(15.596,26.695) ; v1(16.586,23.266) 16.599,23.254 R32.2@17.297,23.254 R31.2@17.297,24.689 R31.2@17.069,24.689 ; R27.2@18.877,11.303 19.406,11.303 v1(19.736,11.633) ; v1(21.793,19.736) 21.882,19.647 R8.2@22.525,19.647 ; v1(21.793,22.479) 21.806,22.466 R7.2@22.525,22.466 ; v1(22.123,11.633) 22.525,12.035 R15.1@22.525,13.043 ; v1(28.143,10.249) R11.1@28.908,10.249 ; R11.1@29.154,10.249 29.154,9.784 29.375,9.563 32.194,9.563 32.329,9.698 32.329,10.003 32.355,10.028 R1.2@32.355,10.249 ; U1.3@33.341,15.217 v1(34.341,15.217) 35.367,15.217 C9.2@35.479,15.329 C10.1@35.479,16.497 ; R3.2@34.336,17.793 34.336,17.099 v1(34.341,17.094) ; R2.2@37.028,14.008 37.714,14.008 ; R4.2@37.359,17.793 37.714,17.437 v1(37.714,17.094) 37.714,14.008 ; v1(37.884,10.249) R12.1@37.079,10.249 37.714,10.884 37.714,14.008 ; R53.2@48.133,29.058 R53.2@48.362,28.829 ; R54.2@48.184,37.973 48.362,38.151 50.343,38.151 51.054,38.862 55.194,38.862 R58.2@55.982,38.075 56.845,38.938 59.995,38.938 62.84,36.093 R30.2@62.84,35.103 62.027,34.29 59.004,34.29 58.344,34.95 R51.2@58.344,35.103 56.82,33.579 56.82,30.937 v1(55.702,29.82) R57.1@54.788,29.82 ; v1(48.362,28.397) R53.2@48.362,28.829 ; C31.1@49.505,36.411 49.505,35.941 49.835,35.611 50.698,35.611 C30.2@50.698,36.411 ; v1(50.719,29.82) U3.3@50.719,33.346 C30.2@50.719,36.39 ; v1(53.211,29.82) 53.211,29.36 52.68,28.829 R53.2@48.362,28.829
  Bottom Layer w0.254: R36.1@10.719,11.176 11.786,10.109 v1(12.624,10.109) 15.011,10.109 15.443,10.541 15.977,10.541 ; R28.2@15.981,11.303 15.981,10.546 15.977,10.541 ; R27.2@18.877,11.303 18.877,10.774 18.644,10.541 15.977,10.541 ; R5.2@27.072,10.249 v1(28.143,10.249)
  Bottom Layer w0.508: v1(8.255,27.635) 8.255,26.772 R40.1@8.865,26.162 ; R25.2@9.271,11.176 R36.1@10.719,11.176 ; C20.1@9.411,19.761 C19.2@10.82,19.761 ; v1(11.709,34.925) 12.929,34.925 RT1.2@13.818,34.036 ; R26.2@14.554,11.303 R28.2@15.981,11.303 ; R15.1@22.525,13.043 R6.2@22.525,14.491 ; R16.1@22.525,18.224 R8.2@22.525,19.647
VCC-WIFI: C51.1 C55.2 C57.1 M1.3 R64.1 R72.1 R73.1 R75.2 R80.1 R87.1 R88.1 R89.1 R90.1 R91.1 U7.9 U7.22 | length 137.3
  Top Layer w0.254: M1.3@10.231,36.195 v1(11.963,36.195) ; v1(21.742,36.525) 26.97,36.525 26.995,36.551 28.169,35.377 28.169,23.952 28.956,23.165 44.147,23.165 v1(46.812,25.83)
  Top Layer w0.508: v1(46.863,13.97) v1(46.863,17.018) 46.863,21.082 v1(48.692,22.911) 54.966,22.911 56.718,24.663 v1(59.258,24.663) 63.627,24.663 64.567,23.724 v1(64.567,23.038)
  Bottom Layer w0.254: v1(11.963,36.195) 12.395,35.763 15.519,35.763 16.307,36.551 16.332,36.525 v1(21.742,36.525)
  Bottom Layer w0.508: v1(46.812,25.83) 46.812,23.571 47.473,22.911 v1(48.692,22.911) 53.416,22.911 C55.2@53.543,23.038 53.543,20.549 54.06,20.032 U7.22@54.06,19.457 55.856,19.457 cw(c55.856,17.807) 56.782,19.173 cw(c55.811,18.201) 57.185,18.201 U7.9@57.185,9.132 57.185,7.172 C51.1@57.15,7.137 C57.1@55.956,7.137 ; v1(46.863,13.97) 50.343,13.97 R89.1@50.394,14.021 R88.1@50.394,12.573 R87.1@50.394,11.1 ; v1(46.863,17.018) R90.1@50.394,17.018 R91.1@50.394,18.466 R91.1@50.317,18.542 ; R80.1@57.937,24.663 v1(59.258,24.663) 60.833,24.663 R75.2@60.858,24.638 ; R64.1@63.754,23.114 63.83,23.038 v1(64.567,23.038) 66.122,23.038 69.291,19.869 R72.1@69.291,12.548 R73.1@69.291,11.049
WL-HOST-WAKE: M1.108 U7.13 | length 66.5
  Top Layer w0.254: M1.108@30.706,46.67 30.706,44.757 31.902,43.561 43.483,43.561 45.618,41.425 45.618,34.087 46.304,33.401 v1(46.533,33.401)
  Bottom Layer w0.254: v1(46.533,33.401) 46.228,33.096 46.228,22.952 45.704,22.428 45.702,22.428 40.462,17.188 40.462,11.862 41.554,10.77 47.879,10.77 48.92,9.728 52.299,9.728 52.781,10.211 52.781,11.151 52.988,11.357 U7.13@54.06,11.357
WL-REG-ON: M1.107 R82.1 U7.12 | length 67.7
  Top Layer w0.254: M1.107@31.976,46.67 31.976,44.707 32.664,44.018 43.672,44.018 46.177,41.513 46.177,34.493 v1(46.203,34.468)
  Bottom Layer w0.254: v1(46.203,34.468) 45.771,34.036 45.771,23.142 45.515,22.885 45.513,22.885 40.005,17.378 40.005,11.672 41.365,10.312 47.383,10.312 49.098,8.597 49.098,8.593 49.817,7.874 51.664,7.874 51.918,8.128 R82.1@51.918,8.712 53.665,8.712 54.06,9.107 U7.12@54.06,10.457
pads on no net: J10. J10.0 J11. J11.0 M1.6 M1.7 M1.15 M1.16 M1.17 M1.18 M1.22 M1.23 M1.24 M1.25 M1.26 M1.27 M1.28 M1.30 M1.31 M1.32 M1.33 M1.39 M1.47 M1.48 M1.49 M1.50 M1.59 M1.60 M1.61 M1.62 M1.77 M1.78 M1.81 M1.82 M1.83 M1.84 M1.85 M1.86 M1.87 M1.88 M1.98 M1.99 M1.100 M1.101 M1.102 M1.104 S1.0 U3.8 U3.9 U3.10 U3.11 U3.13 U3.14 U7.4 U7.5 U7.8 U7.10 U7.11 U7.25 U7.26 U7.27 U7.28 U7.32 U7.35 U7.37 U7.38 U7.39 U7.40

## Polygon pours and split planes (outlines as drawn)
GND on Top Layer "Keep-Out Layer-No Net" (solid, pour order 12): 0.635,58.42 0.715,58.5 75.747,58.5 75.864,58.5 77,57.364 77,1.016 77,1 76,0 1,0 0,1 0,57.5 0,57.81 0.635,58.445
GND on Bottom Layer "Keep-Out Layer-No Net" (solid, pour order 14): 0.896,58.5 76.095,58.5 76.124,58.471 77,57.595 77,57.364 77,1.016 76,0.016 76,0 1,0 0,1 0,57.5 0.896,58.396 0.896,58.5